# KiCad board AmigaPCI Mainboard.kicad_pcb (continued)
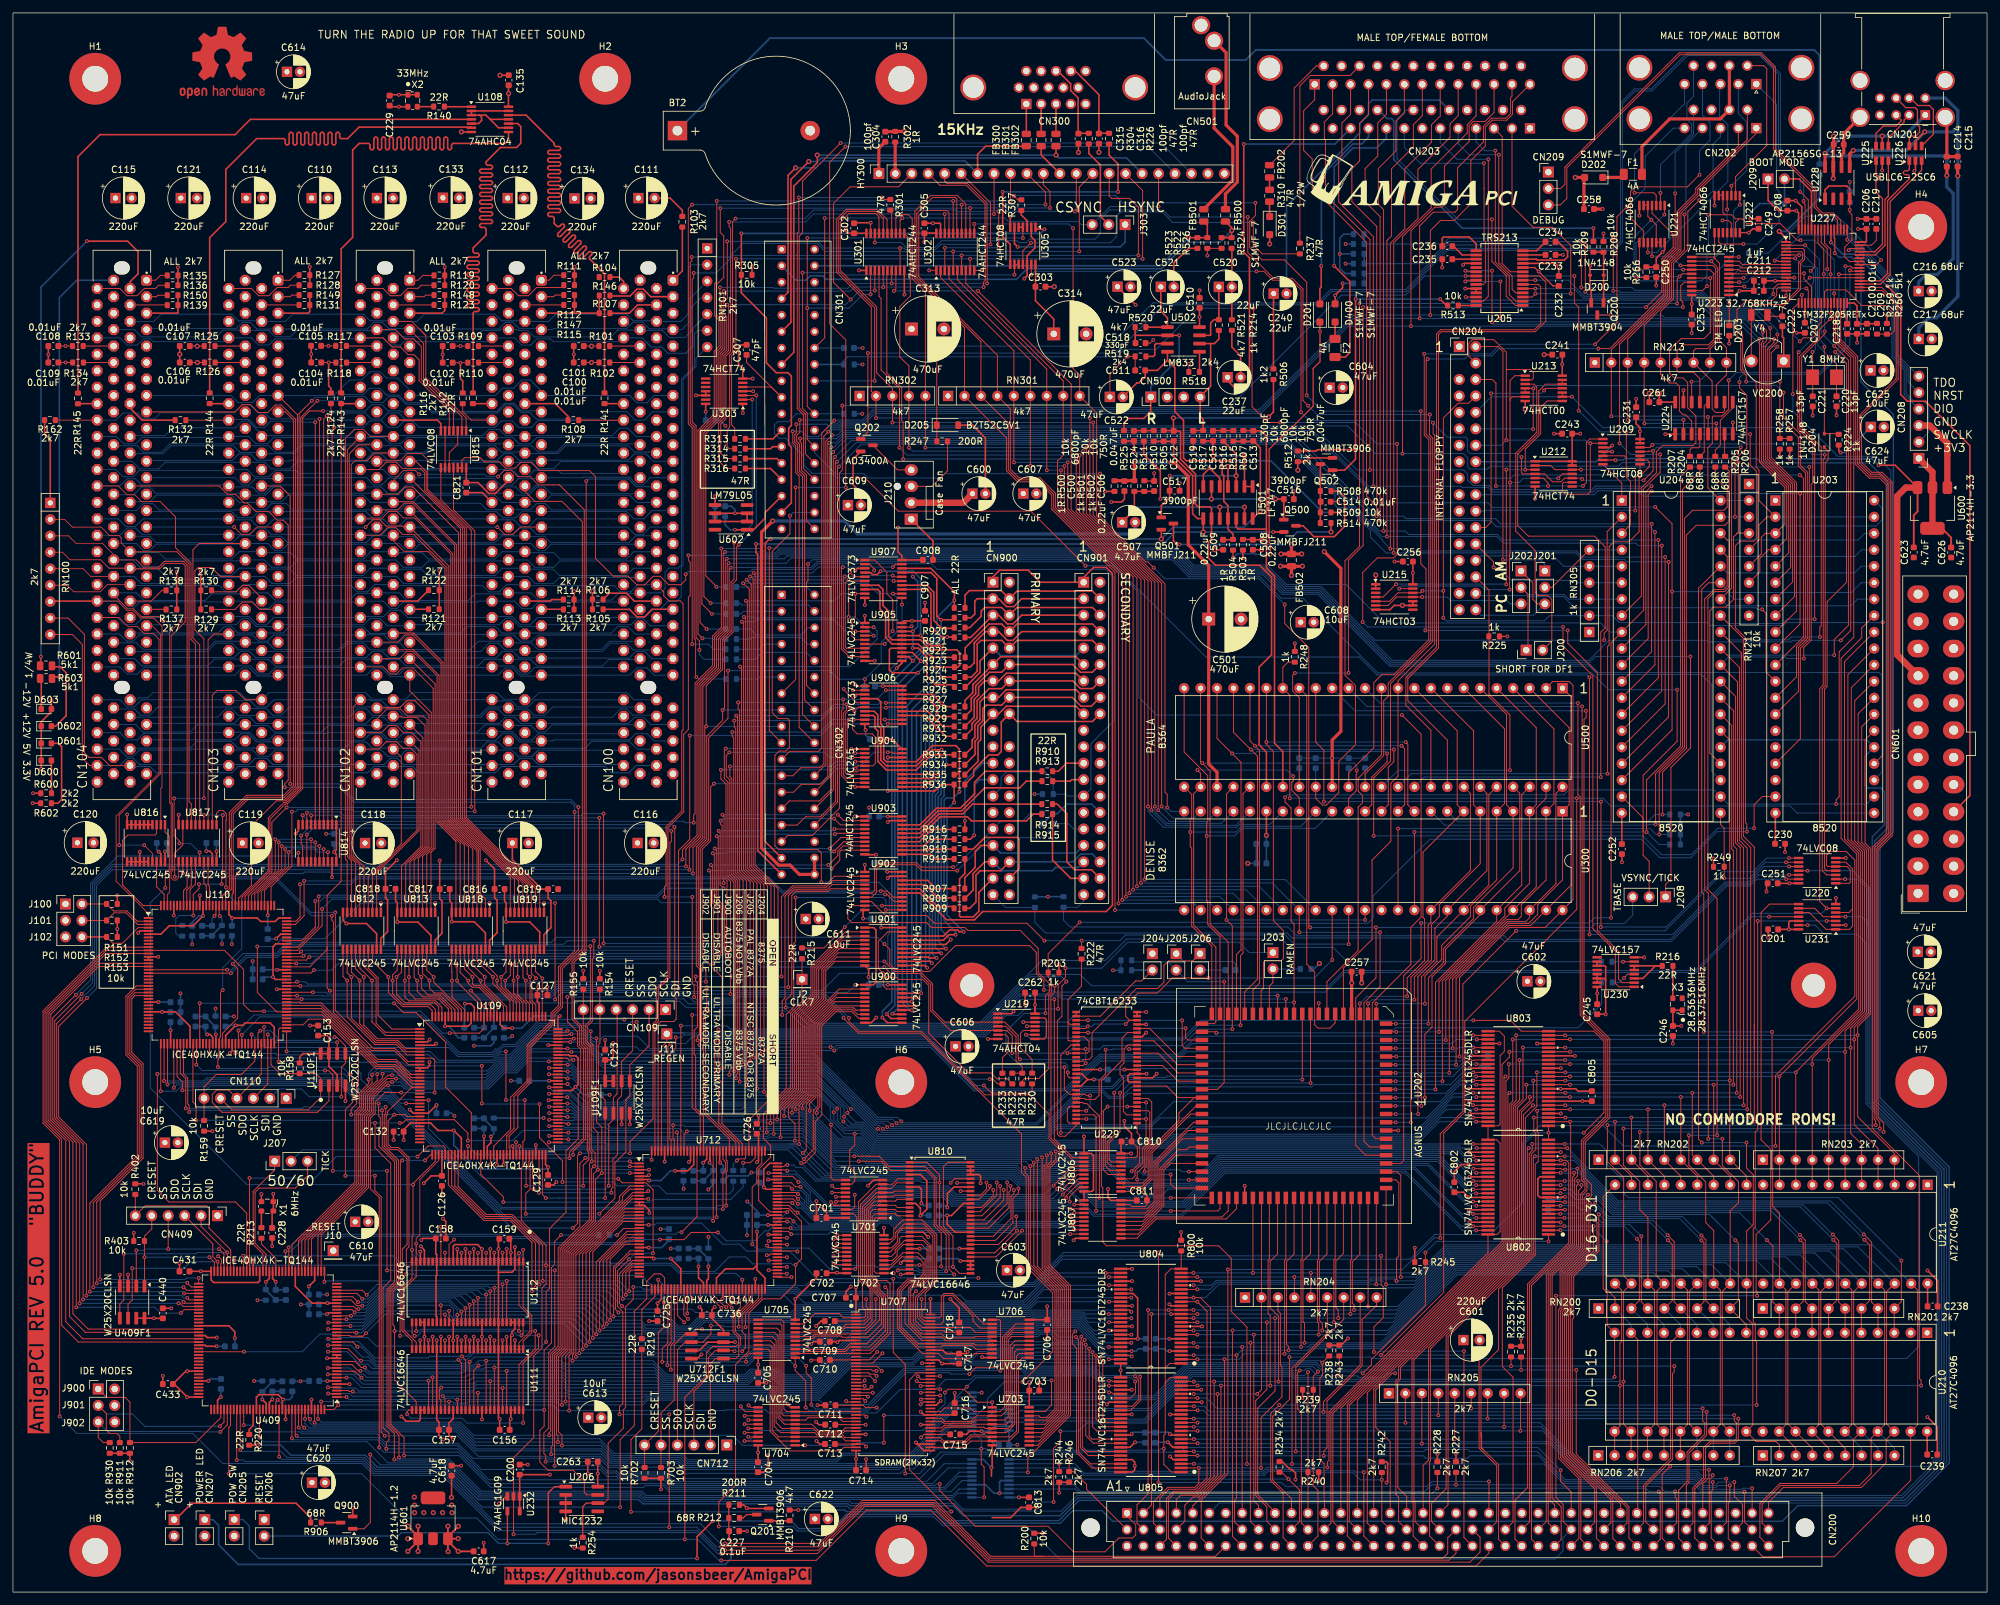
[diagram p0: board, top side]
## Routing (per net, layer and track width the routed paths; a pad name or vN(x,y) marks a point on that pad's centre or on a via; arc(x,y) is an arc through that point) (continued)
  Top w0.25: 66.69,37.5 66.69,38.87
  In2.Cu w0.15: v1(54.17,94.98) 54.17,94.2 63.04,85.33 63.04,71.75 65.04,69.75 65.04,55.04 64.52,54.51 64.52,42.04 66.7,39.86 v1(66.7,38.87)
LVAD29: length 85.4
  Top w0.15: U109.7 60.67,83.94 59.47,85.14 56.15,85.14 53.53,87.76 v1(53.53,94.42) 53.53,94.45 52.25,95.73 U812.13
  Top w0.25: U111.21 v1(66.07,39.43)
  In2.Cu w0.15: v1(53.53,94.42) 62.75,85.2 62.75,71.63 64.75,69.63 64.75,55.16 64.22,54.64 64.22,41.91 66.07,40.06 v1(66.07,39.43)
LVAD30: length 87.3
  Top w0.15: U109.9 60.82,82.94 59.22,84.54 55.9,84.54 51.6,88.84 v1(51.6,94.42) 50.96,95.06 50.96,99.23
  Top w0.25: 64.16,37.5 64.16,38.87
  In2.Cu w0.15: v1(51.6,94.42) 52.24,94.42 62.15,84.51 62.15,71.38 64.15,69.38 64.15,55.41 63.62,54.88 63.62,41.66 64.17,41.11 64.17,38.88 v1(64.16,38.87)
LVAD31: length 86.7
  Top w0.15: U109.8 60.75,83.44 59.35,84.84 56.02,84.84 52.26,88.6 v1(52.26,94.98) 51.6,95.63 U812.12
  Top w0.25: U111.23 v1(64.8,39.43)
  In2.Cu w0.15: v1(52.26,94.98) 52.26,94.95 62.44,84.76 62.44,71.5 64.44,69.5 64.44,55.28 63.92,54.76 63.92,41.79 64.8,40.91 v1(64.8,39.43)
LVC1: length 115.1
  Top w0.15: v1(44.5,116.82) 44.5,115.51 44.72,115.28 U814.12 ; U712.142 99.62,87.69 100.02,88.09 102.03,88.09 102.4,88.46 102.4,91.7 102.18,91.92 102.18,118.08 v1(102.13,118.13)
  Bottom w0.15: v1(44.5,116.82) 44.5,116.83 46.17,118.5 101.75,118.5 v1(102.13,118.13)
LVC3: length 111.5
  Top w0.15: v1(101.65,117.53) 101.65,115.91 101.43,115.69 101.43,94.9 99.63,93.11 99.63,88.13 99.12,87.61 U712.143 ; v1(45.38,116.97) 45.38,116.96 U814.13
  Bottom w0.15: v1(45.38,116.97) 46.39,117.98 101.2,117.98 v1(101.65,117.53)
LVCLK7: length 131.5
  Top w0.15: v1(119.56,58.7) U712.93 116.89,58.7 115.14,60.45 115.14,65.31 116.99,67.16 116.99,68.93 115.87,70.06 115.87,73.81 120.07,78.02 120.07,89.44 121.83,91.2 J2.1 121.83,97.8 ; v1(99.89,54.42) 103.61,54.42 104.72,55.53 v1(108.84,55.53) ; v1(42.06,52.62) 42.09,52.59 U409.49
  Bottom w0.15: v1(42.06,52.62) 42.92,52.62 45.24,54.94 75.78,54.94 76.12,54.6 80.54,54.6 81.49,53.65 94.92,53.65 95.68,54.42 v1(99.89,54.42) ; v1(119.56,58.7) 116.63,55.77 116.1,55.77 114.57,54.24 110.13,54.24 v1(108.84,55.53)
LVD0: length 247.6
  Top w0.15: 227.75,55.84 225.93,55.84 ; U704.11 113.88,28.51 v1(113.57,28.82) ; U109.62 77.23,68.47 77.13,68.57 v1(77.13,68.88) ; v1(121.71,66.23) 122.24,66.23 123.87,67.86 123.87,72.67 124.87,73.67 124.87,87.45 127.03,89.61 129.55,89.61 130.6,88.56 U900.9
  In2.Cu w0.15: v1(121.71,66.23) 121.71,64.48 108.5,51.27 105.73,51.27 103.12,48.67 103.12,38.71 113.01,28.82 v1(113.57,28.82)
  Bottom w0.15: v1(225.93,55.84) 223.77,55.84 214.93,64.69 187.15,64.69 180.49,58.02 166.89,58.02 161.61,63.3 159.91,63.3 159.46,62.85 155.03,62.85 154.12,63.76 124.17,63.76 v1(121.71,66.23) 119.65,68.28 83.76,68.28 83.31,67.83 78.05,67.83 77.13,68.76 v1(77.13,68.88)
LVD1: length 249.5
  Top w0.15: U704.12 113.07,27.87 112.39,28.54 v1(112.39,28.66) ; v1(122.12,66.85) 123.57,68.3 123.57,74.32 124.27,75.02 124.27,87.7 126.78,90.21 129.8,90.21 130.15,89.86 U900.7 ; 77.68,67.58 v1(77.68,69.47) ; 227.75,56.48 225.46,56.48
  In2.Cu w0.15: v1(122.12,66.85) 121.59,66.85 120.98,66.25 120.98,64.18 108.38,51.57 105.61,51.57 102.82,48.79 102.82,38.11 112.27,28.66 v1(112.39,28.66)
  Bottom w0.15: v1(225.46,56.48) 223.56,56.48 215.05,64.99 187.03,64.99 180.36,58.32 167.01,58.32 161.74,63.6 159.79,63.6 159.34,63.15 155.16,63.15 154.24,64.06 124.91,64.06 v1(122.12,66.85) 120.39,68.58 83.64,68.58 83.19,68.13 78.18,68.13 77.68,68.63 v1(77.68,69.47)
LVD2: length 247.8
  Top w0.15: U900.5 126.88,91.16 123.67,87.95 123.67,76.53 122.49,75.34 122.49,68.32 v1(121.94,67.77) ; 227.75,57.75 225.94,57.75 ; U109.64 78.23,68.82 v1(78.21,68.85) ; U704.13 112.99,27.21 v1(112.98,27.21)
  In2.Cu w0.15: v1(112.98,27.21) 102.53,37.66 102.53,48.92 105.51,51.9 108.28,51.9 120.68,64.3 120.68,66.37 121.94,67.63 v1(121.94,67.77)
  Bottom w0.15: v1(78.21,68.85) 78.62,68.44 83.06,68.44 83.51,68.88 120.83,68.88 v1(121.94,67.77) 125.35,64.37 154.37,64.37 155.28,63.45 159.21,63.45 159.66,63.9 162.72,63.9 167.17,59.44 181.06,59.44 186.9,65.29 216.38,65.29 223.91,57.75 v1(225.94,57.75)
LVD3: length 246.2
  Top w0.15: v1(121.38,69.19) 121.38,75.09 123.07,76.78 123.07,88.2 127.33,92.46 U900.3 ; 227.75,58.38 225.45,58.38 ; v1(113.54,26.57) 113.54,26.56 U704.14 ; U109.73 v1(82.76,69.44)
  In2.Cu w0.15: v1(121.38,69.19) 121.38,67.49 120.38,66.49 120.38,64.43 108.15,52.2 105.38,52.2 102.22,49.04 102.22,37.22 112.88,26.57 v1(113.54,26.57)
  Bottom w0.15: 120.03,69.19 v1(121.38,69.19) 121.38,69.08 125.79,64.66 154.49,64.66 155.41,63.75 159.09,63.75 159.54,64.2 162.84,64.2 167.3,59.75 180.93,59.75 186.78,65.59 216.5,65.59 223.7,58.39 v1(225.45,58.39) ; 120.03,69.19 91.68,69.19 91.5,69.37 82.84,69.37 v1(82.76,69.44) ; 120.03,69.19 121.27,69.19
LVD4: length 249.1
  Top w0.15: U901.8 127.18,98.05 125.19,96.06 125.19,91.59 122.17,88.57 122.17,77.15 119.74,74.72 119.74,73.34 120.74,72.34 v1(120.74,69.71) ; 227.75,59.65 225.94,59.65 ; U109.74 85.7,69.94 v1(85.75,69.89) ; U704.15 112.99,25.91 v1(112.98,25.92)
  In2.Cu w0.15: v1(120.74,69.71) 120.74,67.28 120.08,66.62 120.08,64.55 108.03,52.5 105.26,52.5 101.93,49.16 101.93,36.97 v1(112.98,25.92)
  Bottom w0.15: v1(85.75,69.89) 88.9,69.89 89.08,69.71 v1(120.74,69.71) 121.82,69.71 126.56,64.96 154.62,64.96 155.53,64.05 158.96,64.05 159.41,64.5 162.97,64.5 167.42,60.05 180.81,60.05 186.65,65.89 218.39,65.89 224.62,59.65 v1(225.94,59.65)
LVD5: length 253.1
  Top w0.15: v1(113.54,25.26) 113.54,25.26 U704.16 ; U109.75 v1(82.79,70.44) ; v1(118.52,70.24) 118.51,70.24 118.51,74.34 121.57,77.4 121.57,88.82 124.41,91.65 124.41,96.13 127.63,99.35 U901.6 ; 227.75,60.29 225.44,60.29
  In2.Cu w0.15: v1(113.54,25.26) 112.9,25.26 101.62,36.53 101.62,49.29 105.14,52.8 107.9,52.8 118.52,63.42 v1(118.52,70.24)
  Bottom w0.15: v1(225.44,60.29) 224.41,60.29 218.51,66.19 186.53,66.19 180.68,60.34 167.55,60.34 163.09,64.8 159.29,64.8 158.84,64.35 155.66,64.35 154.74,65.26 126.97,65.26 122,70.24 v1(118.52,70.24) 116.8,70.24 116.57,70.01 89.2,70.01 88.8,70.41 82.81,70.41 v1(82.79,70.44)
LVD6: length 252.4
  Top w0.15: 115.05,24.62 112.97,24.62 v1(112.97,24.61) ; 227.75,61.56 225.94,61.56 ; U901.4 128.08,100.65 123.81,96.38 123.81,91.9 120.97,89.07 120.97,77.65 117.47,74.14 117.47,70.76 v1(117.47,70.76) ; U109.76 v1(85.75,70.94)
  In2.Cu w0.15: v1(112.97,24.61) 101.32,36.25 101.32,49.41 105.01,53.1 107.78,53.1 118.22,63.54 118.22,68.92 117.47,69.67 v1(117.47,70.76)
  Bottom w0.15: v1(85.75,70.94) 88.7,70.94 89.33,70.31 116.45,70.31 116.9,70.76 v1(117.47,70.76) 121.89,70.76 127.09,65.56 154.87,65.56 155.78,64.65 158.71,64.65 159.16,65.1 169.23,65.1 173.16,61.17 177.29,61.17 178.34,62.22 182.14,62.22 186.41,66.49 219.96,66.49 224.88,61.56 v1(225.94,61.56)
LVD7: length 257.4
  Top w0.15: U109.78 v1(82.79,71.94) ; 116.39,71.28 116.39,73.92 120.37,77.9 120.37,89.32 123.21,92.15 123.21,96.63 128.53,101.95 U901.2 ; v1(113.54,23.96) 113.54,23.96 U704.18 ; 227.75,62.19 225.45,62.19
  In2.Cu w0.15: 116.39,71.28 116.39,70.33 117.92,68.8 117.92,63.66 107.66,53.4 104.89,53.4 101.03,49.54 101.03,35.81 112.88,23.96 v1(113.54,23.96)
  Bottom w0.15: v1(82.79,71.94) 85,71.94 85.17,71.76 91.55,71.76 92.03,71.28 96.67,71.28 96.94,71.56 102.89,71.56 103.84,70.61 116.01,70.61 v1(116.39,70.99) 116.68,71.28 121.87,71.28 127.29,65.87 155.02,65.87 155.94,64.95 158.59,64.95 159.04,65.4 169.35,65.4 172.23,62.52 182.01,62.52 186.28,66.79 220.08,66.79 224.68,62.19 v1(225.45,62.19)
LVD8: length 232.8
  Top w0.15: v1(116.94,72.44) 116.94,74.04 120.67,77.77 120.67,89.19 123.51,92.03 123.51,96.5 128.3,101.3 U901.3 ; v1(156.29,65.47) 156.29,64.71 156.79,64.21 156.79,50.43 160.88,46.34 160.88,28.29 159.57,26.98 158.63,26.98 158.39,27.21 U703.18 ; U109.79 85.21,72.44 85.36,72.29 v1(85.75,72.29) ; 227.75,62.83 225.92,62.83
  Bottom w0.15: v1(225.92,62.83) 224.46,62.83 220.21,67.09 186.16,67.09 181.89,62.82 172.36,62.82 169.48,65.7 158.92,65.7 158.47,65.25 156.74,65.25 156.51,65.47 v1(156.29,65.47) 155.6,66.16 131.78,66.16 130.09,67.85 126.58,67.85 121.99,72.44 v1(116.94,72.44) 116.23,72.44 116.06,72.61 97.46,72.61 96.47,71.62 92.34,71.62 91.68,72.29 v1(85.75,72.29)
LVD9: length 233.1
  Top w0.15: v1(157.09,65.77) 157.09,50.55 161.18,46.46 161.18,28.17 159.58,26.56 U703.17 ; U109.80 v1(82.79,72.94) ; v1(117.99,72.96) 117.99,74.24 121.27,77.52 121.27,88.94 124.11,91.78 124.11,96.25 127.85,100 U901.5 ; 227.75,63.46 225.47,63.46
  Bottom w0.15: v1(225.47,63.46) 224.26,63.46 220.33,67.39 186.03,67.39 181.76,63.12 172.48,63.12 169.6,66 158.79,66 158.57,65.77 v1(157.09,65.77) 156.4,66.46 131.9,66.46 130.21,68.15 126.7,68.15 125.7,69.16 125.7,69.2 121.93,72.96 v1(117.99,72.96) 116.46,72.96 116.41,72.91 86.62,72.91 86.53,72.81 85.01,72.81 84.88,72.94 v1(82.79,72.94)
LVD10: length 227.8
  Top w0.15: 227.75,64.74 225.94,64.74 ; v1(85.63,73.34) 85.31,73.34 85.21,73.44 U109.81 ; U703.16 159.35,25.91 161.48,28.04 161.48,46.59 157.62,50.45 v1(157.62,66.3) ; v1(119.08,73.49) 119.08,74.48 121.87,77.28 121.87,88.69 124.89,91.71 124.89,96.19 127.4,98.7 U901.7
  Bottom w0.15: v1(225.94,64.73) 224.6,64.73 221.65,67.69 180.31,67.69 178.27,65.65 171.57,65.65 170.92,66.3 v1(157.62,66.3) 157.16,66.76 132.02,66.76 130.34,68.45 126.86,68.45 121.83,73.49 v1(119.08,73.49) 118.41,74.16 113.35,74.16 112.68,73.49 95.38,73.49 95.1,73.21 86.69,73.21 86.56,73.34 v1(85.63,73.34)
LVD11: length 229.5
  Top w0.15: U703.15 159.13,25.26 161.78,27.92 161.78,46.71 158.16,50.33 v1(158.16,66.84) ; 227.75,65.37 225.49,65.37 ; v1(120.28,74.01) 120.28,74.84 122.47,77.03 122.47,88.45 125.49,91.46 125.49,95.94 126.95,97.4 U901.9 ; U109.82 v1(82.79,73.94)
  Bottom w0.15: v1(82.79,73.94) 84.96,73.94 85.03,73.87 86.46,73.87 86.82,73.51 94.98,73.51 95.48,74.01 112.78,74.01 113.23,74.46 119.19,74.46 119.64,74.01 v1(120.28,74.01) 121.27,74.01 121.47,73.81 121.93,73.81 126.99,68.75 130.46,68.75 132.15,67.06 157.94,67.06 v1(158.16,66.84) 158.4,66.6 171.05,66.6 171.69,65.95 178.15,65.95 180.18,67.99 221.77,67.99 224.39,65.37 v1(225.49,65.37)
LVD12: length 222.1
  Top w0.15: v1(120.84,74.53) 120.84,74.97 122.77,76.9 122.77,88.32 127.56,93.11 U900.2 ; v1(85.63,74.39) 85.58,74.44 U109.83 ; v1(158.91,67.13) 158.91,50.01 162.08,46.84 162.08,27.79 158.9,24.62 156.91,24.62 ; 227.75,66.64 225.94,66.64
  Bottom w0.15: 158.67,67.37 159.13,66.9 171.17,66.9 171.82,66.25 178.02,66.25 180.06,68.29 222.98,68.29 224.63,66.64 v1(225.94,66.64) ; 158.67,67.37 v1(158.91,67.13) ; 158.67,67.37 132.27,67.37 130.59,69.05 127.11,69.05 122.05,74.11 121.59,74.11 121.17,74.53 v1(120.84,74.53) 120.62,74.76 112.81,74.76 112.59,74.53 95.58,74.53 94.85,73.81 86.94,73.81 86.36,74.39 v1(85.63,74.39)
LVD13: length 223.9
  Top w0.15: U900.4 127.11,91.81 123.37,88.07 123.37,76.65 121.91,75.19 v1(121.91,74.68) ; U703.13 158.68,23.96 162.38,27.67 162.38,46.96 159.21,50.13 159.21,65.86 159.63,66.28 v1(159.63,67.43) ; U109.84 v1(82.79,74.94) ; 227.75,67.27 225.48,67.27
  Bottom w0.15: v1(225.48,67.28) 224.41,67.28 223.11,68.59 179.93,68.59 177.9,66.56 171.94,66.56 171.29,67.2 159.85,67.2 v1(159.63,67.43) 159.39,67.66 132.4,67.66 130.71,69.35 127.24,69.35 v1(121.91,74.68) 121.53,75.06 95.68,75.06 94.73,74.11 87.07,74.11 86.26,74.91 82.81,74.91 v1(82.79,74.94)
LVD14: length 221.1
  Top w0.15: U703.12 158.45,23.31 162.68,27.54 162.68,47.09 159.51,50.26 159.51,65.74 160.31,66.54 v1(160.31,67.74) ; U900.6 126.66,90.51 123.97,87.82 123.97,76.41 123.01,75.44 v1(123.01,74.32) ; 227.75,68.55 226.01,68.55 ; U109.85 v1(85.62,75.44)
  Bottom w0.15: v1(85.62,75.44) 86.16,75.44 87.19,74.41 94.6,74.41 95.55,75.36 121.97,75.36 v1(123.01,74.32) 123.01,74 127.36,69.65 130.83,69.65 132.52,67.96 160.09,67.96 v1(160.31,67.74) 160.55,67.5 171.42,67.5 172.07,66.85 177.78,66.85 179.81,68.89 223.23,68.89 223.58,68.54 v1(226.01,68.54)
LVD15: length 221.9
  Top w0.15: U109.87 85.59,76.44 v1(85.61,76.41) ; v1(161.02,68.03) 161.02,66.83 159.81,65.61 159.81,50.38 162.98,47.21 162.98,27.42 158.22,22.66 U703.11 ; U900.8 130.38,89.21 129.68,89.91 126.91,89.91 124.57,87.58 124.57,74.9 124.09,74.42 v1(124.09,73.98) ; 227.75,69.18 225.46,69.18
  Bottom w0.15: v1(85.61,76.41) 87.31,74.71 94.48,74.71 95.43,75.66 122.41,75.66 v1(124.09,73.98) 124.09,73.34 127.48,69.95 130.96,69.95 132.65,68.26 160.79,68.26 v1(161.02,68.03) 171.32,68.03 172.19,67.15 177.65,67.15 179.69,69.19 225.45,69.19 v1(225.46,69.18)
LVD16: length 286.7
  Top w0.15: v1(128.15,158.27) 127.91,158.03 127.91,145.63 129.1,144.44 U905.9 ; v1(117.06,76.19) 117.06,82.78 118.13,83.85 118.13,108.75 114.59,112.29 114.59,157.14 v1(114.37,157.37) ; v1(135.85,158.27) 136.3,158.72 U907.19 ; U803.47 225.93,72.63 v1(225.93,72.63) ; v1(126.3,72.19) 126.3,64 126.68,63.62 U701.11 ; U109.88 v1(82.78,76.94)
  Bottom w0.15: v1(114.37,157.37) 123.43,157.37 124.34,158.27 v1(128.15,158.27) v1(135.85,158.27) ; v1(225.93,72.63) 225.93,72.63 220.21,72.63 217.07,69.49 179.56,69.49 178.64,68.56 132.77,68.56 131.08,70.25 128.25,70.25 v1(126.3,72.19) 126.3,72.51 122.63,76.19 95.52,76.19 94.35,75.01 87.8,75.01 85.87,76.94 v1(82.78,76.94)
LVD17: length 282.7
  Top w0.15: U109.90 v1(82.79,77.94) ; U905.7 128.74,145.74 128.51,145.97 128.51,155.83 v1(128.99,156.31) ; U803.46 225.46,73.27 v1(225.46,73.27) ; v1(113.29,156.3) 113.99,155.6 113.99,112.04 117.03,109 117.03,83.31 116.51,82.79 v1(116.51,76.71) ; v1(135.99,156.12) U907.15 ; U701.12 129.49,62.97 129.97,63.46 129.97,64.85 129.2,65.62 129.2,68.25 129.97,69.02 v1(129.97,70.78)
  Bottom w0.15: v1(113.29,156.3) 113.29,156.31 v1(128.99,156.31) 135.81,156.31 v1(135.99,156.12) ; v1(225.46,73.27) 220.43,73.27 216.95,69.79 179.44,69.79 178.51,68.87 132.89,68.87 130.98,70.78 v1(129.97,70.78) 128.46,70.78 126.21,73.03 126.21,74.86 124.36,76.71 v1(116.51,76.71) 95.62,76.71 94.25,75.34 87.9,75.34 86,77.24 83.49,77.24 v1(82.79,77.94)
LVD18: length 272.2
  Top w0.15: v1(113.17,153.06) 113.39,152.84 113.39,111.79 115.95,109.23 v1(115.95,77.25) ; U109.91 v1(85.62,78.44) ; U905.5 130.09,147.04 129.54,147.6 129.54,150.01 130.06,150.54 v1(130.06,154.17) 130.06,154.17 U907.9 ; v1(225.94,74.54) 225.94,74.54 U803.44 ; U701.13 126.88,62.32 v1(126.47,62.74)
  In2.Cu w0.15: v1(126.74,74.1) 126.74,72.95 127.88,71.81 127.88,63.1 127.87,63.1 127.48,62.71 126.5,62.71 v1(126.47,62.74)
  Bottom w0.15: v1(85.62,78.44) 88.42,75.64 94.13,75.64 95.74,77.25 v1(115.95,77.25) 124.24,77.25 126.74,74.76 v1(126.74,74.1) 126.74,72.92 128.36,71.3 130.88,71.3 133.02,69.16 178.39,69.16 179.31,70.09 216.83,70.09 221.28,74.54 v1(225.94,74.54) ; v1(113.17,153.06) 126.79,153.06 127.9,154.17 v1(130.06,154.17)
LVD19: length 272.9
  Top w0.15: U109.93 85.22,79.44 85.34,79.31 v1(85.64,79.31) ; U905.3 130.06,148.34 v1(130.06,148.34) ; U803.43 225.46,75.17 v1(225.45,75.18) ; U701.14 126.49,61.68 v1(126.47,61.69) ; U907.5 129.91,156.77 v1(129.2,157.48) ; v1(114.89,77.77) 114.89,109.44 112.79,111.54 112.79,149.61 v1(112.57,149.84)
  In2.Cu w0.15: v1(130.06,148.34) 130.06,150.29 129.51,150.83 129.51,157.16 v1(129.2,157.48) ; v1(127.26,74.65) 127.26,72.85 128.18,71.94 128.18,62.28 127.58,61.69 v1(126.47,61.69)
  Bottom w0.15: v1(130.06,148.34) 128.56,148.34 126.76,150.14 114.77,150.14 114.47,149.84 v1(112.57,149.84) ; v1(85.64,79.31) 86.42,79.31 87.96,77.77 v1(114.89,77.77) 124.14,77.77 v1(127.26,74.65) 127.26,72.82 128.43,71.66 130.95,71.66 133.14,69.46 178.26,69.46 179.19,70.39 216.71,70.39 221.49,75.18 v1(225.45,75.18)
LVD20: length 267.4
  Top w0.15: v1(111.67,135.33) 111.89,135.1 111.89,111.17 113.27,109.79 v1(113.27,78.3) ; v1(127.06,61.03) 127.06,61.02 U701.15 ; v1(128.7,137.07) 128.7,136.24 128.21,135.75 128.21,126.19 128.78,125.63 U904.8 ; v1(225.94,76.44) 225.94,76.44 U803.41 ; v1(134.78,137.3) 134.79,137.31 U906.16 ; U109.94 v1(82.77,79.94)
  In2.Cu w0.15: v1(127.06,61.03) 127.82,61.03 128.47,61.69 128.47,72.42 v1(128.22,72.67)
  Bottom w0.15: v1(82.77,79.94) 82.87,79.84 86.32,79.84 87.86,78.3 v1(113.27,78.3) 124.36,78.3 127.8,74.87 127.8,73.1 v1(128.22,72.67) 128.93,71.96 131.07,71.96 133.27,69.76 178.14,69.76 179.07,70.69 216.58,70.69 222.33,76.44 v1(225.94,76.44) ; v1(134.78,137.3) 133.83,137.3 133.6,137.07 126.73,137.07 124.99,135.33 v1(111.67,135.33)
LVD21: length 259.7
  Top w0.15: v1(129.06,134.71) 128.81,134.46 128.81,126.91 129.06,126.66 130.31,126.66 130.58,126.93 U904.6 ; v1(225.44,77.08) 225.44,77.08 U803.40 ; v1(127.06,60.27) 127.16,60.38 U701.16 ; U109.95 85.21,80.44 85.28,80.36 v1(85.65,80.36) ; v1(134.62,134.71) U906.12 ; v1(111.07,132.79) 111.07,132.13 111.29,131.91 111.29,110.92 112.2,110.01 v1(112.2,78.83)
  In2.Cu w0.15: v1(127.06,60.27) 127.48,60.27 128.78,61.56 128.78,72.96 v1(128.32,73.41)
  Bottom w0.15: v1(85.65,80.36) 86.22,80.36 87.76,78.83 v1(112.2,78.83) 124.26,78.83 128.32,74.76 v1(128.32,73.41) 129.47,72.26 131.21,72.26 133.41,70.06 159.69,70.06 161.17,71.55 181.88,71.55 182.18,71.84 217.31,71.84 222.47,77.01 225.37,77.01 v1(225.44,77.08) ; v1(134.62,134.71) v1(129.06,134.71) 126.56,134.71 124.64,132.79 v1(111.07,132.79)
LVD22: length 254.3
  Top w0.15: U803.38 225.94,78.35 v1(225.94,78.35) ; U906.6 130.55,136.66 v1(129.91,136.02) ; v1(111.66,79.36) 111.66,79.89 111.9,80.13 111.9,109.89 110.99,110.8 110.99,125.6 110.69,125.9 v1(110.69,127.49) ; 127.59,59.72 126.79,59.72 ; 127.59,59.72 126.96,59.72 ; 127.59,59.72 U701.17 ; 126.79,59.72 126.96,59.72 ; 126.79,59.72 v1(126.3,60.21) ; 126.96,59.72 126.77,59.72 ; v1(130.08,128.23) 130.08,128.23 U904.4 ; U109.96 v1(82.76,80.94)
  In2.Cu w0.15: v1(126.3,60.21) 126.78,59.73 127.37,59.73 129.07,61.44 129.07,73.78 v1(128.85,74.01) ; v1(129.91,136.02) 130.56,135.37 130.56,128.71 v1(130.08,128.23)
  Bottom w0.15: v1(225.94,78.35) 223.39,78.35 218.25,73.22 177.12,73.22 175.75,71.85 161.05,71.85 159.56,70.37 133.53,70.37 131.33,72.56 130.13,72.56 128.85,73.84 v1(128.85,74.01) 128.85,74.66 124.15,79.36 v1(111.66,79.36) 87.65,79.36 86.12,80.89 82.81,80.89 v1(82.76,80.94) ; v1(130.08,128.23) 127,128.23 126.27,127.5 110.7,127.5 v1(110.69,127.49)
LVD23: length 255.5
  Top w0.15: U109.97 85.62,81.44 v1(85.65,81.41) ; v1(110.06,130.25) 109.83,130.02 109.83,125.63 110.39,125.07 110.39,110.55 111.3,109.64 111.3,81.17 110.61,80.48 v1(110.61,79.88) ; v1(129.7,139.26) U906.2 ; U701.18 129.57,59.07 129.97,59.47 v1(129.97,61.34) ; v1(225.45,78.98) 225.46,78.98 U803.37 ; U904.2 130.04,129.53 v1(130.04,129.53)
  In2.Cu w0.15: v1(129.38,74.59) 129.38,74.58 129.38,61.94 v1(129.97,61.34) ; v1(129.7,139.26) 128.88,139.26 127.68,138.06 127.68,137.14 130.04,134.78 v1(130.04,129.53)
  Bottom w0.15: v1(130.04,129.53) 127.42,129.53 126.7,130.25 v1(110.06,130.25) ; v1(225.45,78.98) 223.59,78.98 220.33,75.72 179.2,75.72 175.63,72.15 160.92,72.15 159.44,70.66 133.65,70.66 129.73,74.59 v1(129.38,74.59) 124.11,79.85 124.11,79.88 v1(110.61,79.88) 87.55,79.88 86.02,81.41 v1(85.65,81.41)
LVD24: length 323.3
  Top w0.15: v1(111.38,80.41) 111.38,80.81 111.6,81.04 111.6,109.76 110.69,110.67 110.69,125.41 110.13,125.97 110.13,129.19 v1(110.61,129.67) ; U109.98 v1(82.75,81.94) ; v1(225.92,79.62) 225.92,79.62 U803.36 ; U409.38 47.59,55.15 54.89,62.45 54.89,73.31 55.63,74.06 55.63,76.28 57.59,78.23 v1(57.91,78.23) ; v1(128.27,139.45) 128.27,139.34 130.3,137.31 U906.5 ; U904.3 129.64,128.88 v1(129.63,128.88) ; 128.75,55.1 127.26,55.1
  In2.Cu w0.15: v1(133.54,71.53) 131.46,69.45 131.46,64.47 130.5,63.51 130.5,58.33 v1(127.26,55.1) ; v1(129.63,128.88) 127.38,131.14 127.38,138.55 v1(128.27,139.45)
  Bottom w0.15: v1(110.61,129.67) 125.28,129.67 126.07,128.88 v1(129.63,128.88) ; v1(225.92,79.62) 223.81,79.62 221.21,77.02 172.13,77.02 171.37,76.25 169.14,76.25 168.23,77.17 165.52,77.17 159.31,70.96 134.1,70.96 v1(133.54,71.53) 133.22,71.53 124.32,80.42 124.31,80.41 v1(111.38,80.41) 109.72,80.41 109.72,80.41 93.86,80.41 93.85,80.41 87.45,80.41 85.92,81.94 v1(82.75,81.94) 79.54,81.94 77.78,80.18 75.91,80.18 73.42,77.69 60.44,77.69 59.9,78.23 v1(57.91,78.23)
LVD25: length 323.5
  Top w0.15: v1(58.54,78.76) 57.69,78.76 55.34,76.41 55.34,74.18 54.59,73.44 54.59,62.57 47.09,55.07 U409.39 ; v1(109.5,80.93) 109.5,94.94 106.41,98.02 106.41,114.7 107.72,116.01 107.72,124.3 v1(108.25,124.83) ; v1(130.09,127.18) 130.49,127.58 U904.5 132.78,127.58 133.15,127.95 133.15,132.04 132.67,132.52 130.35,132.52 129.64,133.23 129.64,134.25 130.1,134.71 U906.9 ; 128.75,54.45 126.69,54.45 ; U109.99 85.53,82.44 85.81,82.16 v1(86.51,82.16) ; U803.35 225.47,80.25 v1(225.47,80.25)
  In2.Cu w0.15: v1(134.29,71.51) 131.76,68.98 131.76,64.35 130.8,63.38 130.8,57.89 127.36,54.46 v1(126.68,54.46)
  Bottom w0.15: v1(58.54,78.76) 59.79,78.76 60.56,77.99 73.3,77.99 75.79,80.48 77.65,80.48 79.64,82.46 86.21,82.46 v1(86.51,82.16) 89.91,82.16 91.14,80.94 94.24,80.94 94.24,80.93 v1(109.5,80.93) 109.5,80.94 124.23,80.94 133.07,72.1 133.71,72.1 v1(134.29,71.51) 134.54,71.26 159.19,71.26 165.39,77.47 168.35,77.47 169.26,76.55 171.25,76.55 172.7,78.01 200.5,78.01 200.85,78.35 221.94,78.35 223.83,80.25 v1(225.47,80.25) ; v1(108.25,124.83) 108.25,124.83 124.86,124.83 127.21,127.18 v1(130.09,127.18)
LVD26: length 334.8
  Top w0.15: U803.33 225.94,81.52 v1(225.94,81.52) ; U904.7 128.73,126.28 128.51,126.5 128.51,135.63 129.3,136.42 v1(129.3,136.54) ; 128.75,53.81 127.28,53.81 ; v1(111.37,134.57) 111.37,133.6 111.59,133.38 111.59,111.05 112.73,109.91 v1(112.73,81.46) ; v1(59.15,79.28) 57.79,79.28 55.03,76.53 55.03,74.31 54.29,73.56 54.29,62.7 46.09,54.5 U409.41 ; v1(134.78,136.55) 134.89,136.66 U906.15 ; 84.17,83.41 v1(86.24,83.41)
  In2.Cu w0.15: v1(127.27,53.81) 131.1,57.63 131.1,63.26 132.06,64.22 132.06,68.04 134.99,70.97 v1(134.99,71.79)
  Bottom w0.15: v1(225.94,81.52) 224.21,81.52 222.34,79.64 200.9,79.64 200.88,79.67 178.24,79.67 178.04,79.46 171.51,79.46 169.82,77.77 165.27,77.77 159.06,71.56 135.22,71.56 v1(134.99,71.79) 134.38,72.4 133.19,72.4 124.14,81.45 112.74,81.45 v1(112.73,81.46) 91.04,81.46 89.09,83.41 v1(86.24,83.41) 80.16,83.41 77.53,80.78 75.66,80.78 73.18,78.29 60.68,78.29 59.69,79.28 v1(59.15,79.28) ; v1(134.78,136.55) 126.63,136.55 124.65,134.57 v1(111.37,134.57)
LVD27: length 342.3
  Top w0.15: v1(58.53,79.81) 57.89,79.81 54.74,76.65 54.74,74.43 53.99,73.69 53.99,62.82 45.59,54.42 U409.42 ; 113.82,109.67 113.62,109.86 ; 113.81,109.67 v1(113.81,81.98) ; 113.81,109.67 113.62,109.86 ; 113.62,109.86 112.19,111.3 112.19,136.15 111.97,136.37 v1(111.97,137.37) ; U803.32 225.63,82.16 225.56,82.09 v1(224.99,82.09) ; U906.19 v1(134.78,139.26) ; v1(128.2,137.84) 128.18,137.81 128.18,136.34 127.91,136.08 127.91,126.07 129,124.98 U904.9 ; 128.75,53.15 126.69,53.15 ; U109.102 v1(85.63,83.94)
  In2.Cu w0.15: v1(135.71,72.09) 135.71,71.27 132.36,67.92 132.36,64.1 131.39,63.13 131.39,57.19 127.37,53.17 v1(126.68,53.17)
  Bottom w0.15: v1(58.53,79.81) 59.59,79.81 60.81,78.59 73.05,78.59 75.54,81.08 77.4,81.08 80.2,83.88 85.56,83.88 v1(85.63,83.94) 88.99,83.94 90.94,81.98 113.81,81.98 v1(113.81,81.98) 124.04,81.98 133.32,72.7 135.1,72.7 v1(135.71,72.09) 135.94,71.87 158.94,71.87 165.14,78.07 169.69,78.07 171.39,79.76 173.1,79.76 174.18,80.85 222.99,80.85 224.23,82.09 v1(224.99,82.09) ; v1(111.97,137.37) 125.55,137.37 126.02,137.84 v1(128.2,137.84) 133.36,137.84 v1(134.78,139.26)
LVD28: length 347
  Top w0.15: U803.30 225.94,83.43 v1(225.94,83.43) ; v1(57.06,80.05) 57.06,79.41 54.44,76.78 54.44,74.56 53.69,73.81 53.69,62.94 45.09,54.34 U409.43 ; v1(132.97,157.75) 132.97,158.02 132.27,158.72 U907.2 ; v1(112.27,142.9) 112.49,142.68 112.49,111.42 114.34,109.57 v1(114.34,82.55) ; U905.2 132.89,148.99 v1(132.89,148.99) ; 128.75,52.5 127.28,52.5 ; v1(86.05,84.91) 86.03,84.94 U109.104
  In2.Cu w0.15: v1(132.89,148.99) 132.12,148.99 130.88,150.22 130.88,155.66 v1(132.97,157.75) ; 127.14,52.51 131.69,57.07 131.69,61.29 132.66,62.25 132.66,67.79 136.42,71.56 v1(136.42,72.39)
  Bottom w0.15: v1(225.94,83.43) 224.91,83.43 223.49,82.01 167.98,82.01 158.13,72.16 136.64,72.16 v1(136.42,72.39) 135.81,73 133.44,73 123.89,82.55 v1(114.34,82.55) 90.8,82.55 88.44,84.91 v1(86.05,84.91) 85.94,85.02 80.92,85.02 77.28,81.38 75.41,81.38 72.93,78.89 60.93,78.89 59.49,80.33 57.35,80.33 v1(57.06,80.05) ; v1(112.27,142.9) 129.18,142.9 133.42,147.13 133.42,148.46 v1(132.89,148.99)
  vias: v1(127.27,52.51)
LVD29: length 349.2
  Top w0.15: U907.6 129.86,156.12 129.04,155.29 v1(129.04,150.57) ; U409.44 44.59,54.27 53.39,63.07 53.39,73.94 54.13,74.68 54.13,76.9 56.23,79 v1(56.23,79.96) ; U803.29 225.49,84.06 v1(225.48,84.07) ; v1(86.59,85.45) 86.58,85.44 U109.105 ; U905.4 132.88,147.69 v1(132.89,147.68) ; v1(112.87,150.57) 113.09,150.35 113.09,111.67 115.42,109.34 v1(115.42,83.1) ; 128.75,51.85 126.69,51.85
  In2.Cu w0.15: v1(137.15,72.69) 137.15,71.87 132.96,67.67 132.96,62.22 133,62.18 133,59.59 132,58.59 132,56.49 127.36,51.86 v1(126.68,51.86)
  Bottom w0.15: v1(225.48,84.07) 223.17,84.07 222.54,83.44 181.2,83.44 180.2,82.44 167.98,82.44 158.01,72.46 137.38,72.46 v1(137.15,72.69) 136.55,73.3 133.57,73.3 123.76,83.1 115.43,83.1 v1(115.42,83.1) 90.67,83.1 88.32,85.45 v1(86.59,85.45) 80.93,85.45 77.16,81.68 75.29,81.68 73.03,79.42 60.83,79.42 59.62,80.63 56.91,80.63 v1(56.23,79.96) ; v1(132.89,147.68) 130,150.57 128.52,150.57 128.39,150.44 114.36,150.44 114.23,150.57 v1(112.87,150.57)
